# Altium PCB Bran_Main_Assay_PCB_v1.PcbDoc (part 2 of 4) (continued)
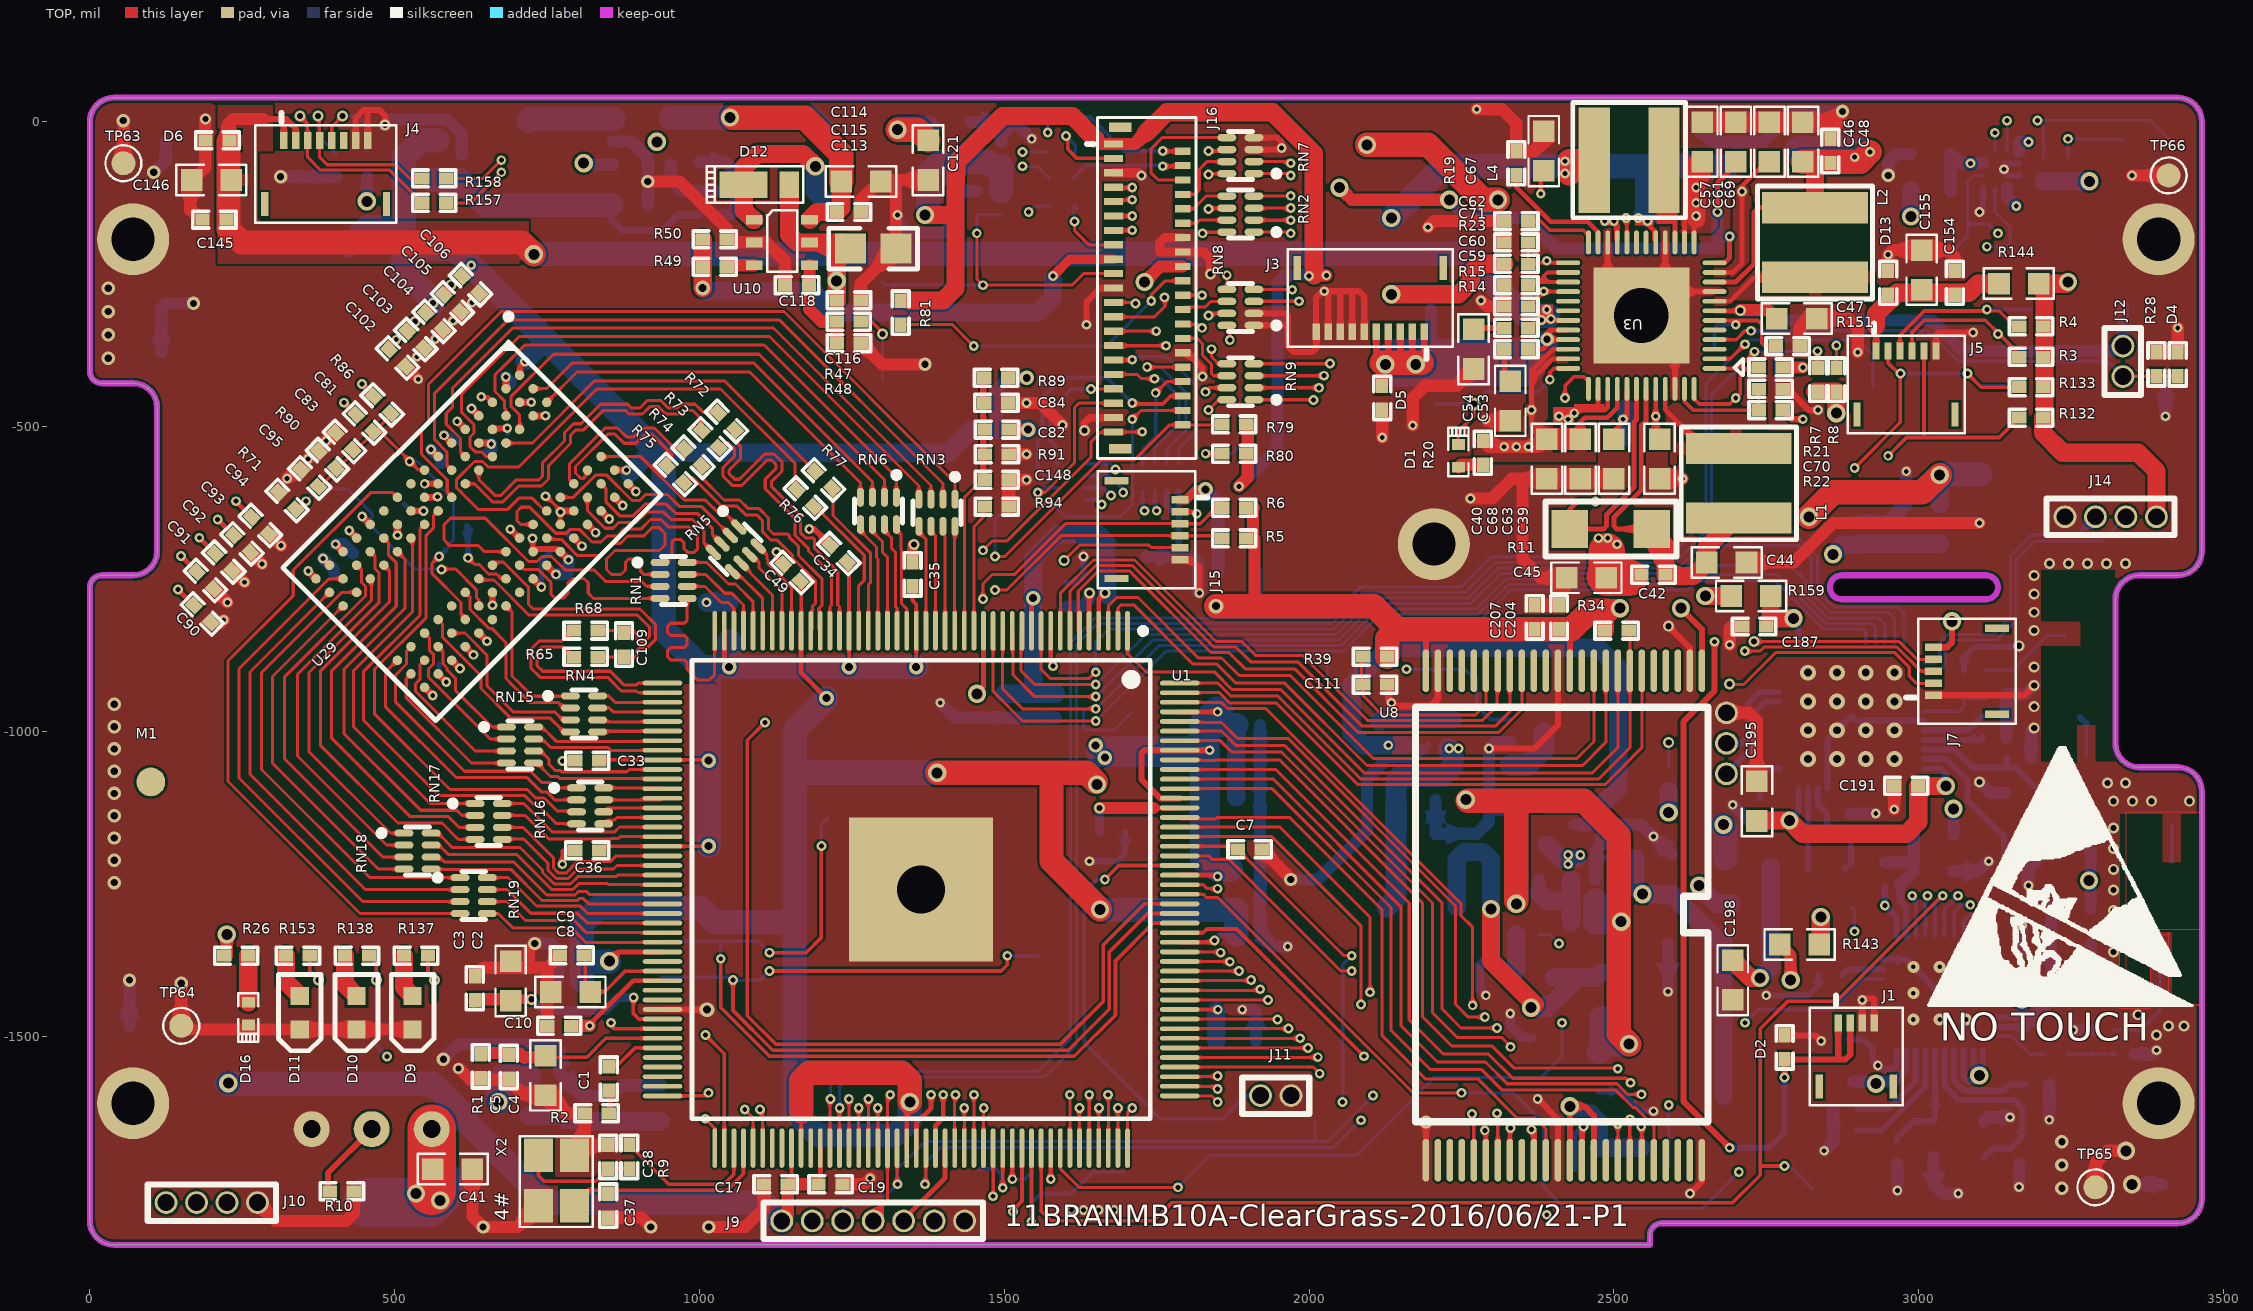
[diagram p0: TOP view]
## Nets (pads, with @x,y where several pads share a name; then routed paths per layer and width w, separated by ;. In a path a pad name is that pad's centre, name@x,y a point inside that pad or via, vN(x,y) a via of type N, cw(c..) or ccw(c..) an arc to the next point about the centre after c; other vN are vias at no path point) (continued)
  BOTTOM w30: v1(713.59,-393.54) 748.59,-358.54 ; C86.1@885.23,-576.9 926.09,-536.04 ; 933.03,-542.97 1405.16,-542.97 1406.82,-544.63 1446.37,-505.08 1487.37,-505.08 v6(1539.13,-505.08)
  BOTTOM w40: TP38.1@425,-203.15 455,-173.15 490,-173.15 ; 513.37,-173.15 513.37,-208.15 ; 515,-168.5 515,-58.15 542.5,-30.65 L13.1@565,-30.65 L13.1@570,-30.65 ; v3(562.59,-297.54) 562.59,-292.85 535.77,-266.03 513.37,-243.63 513.37,-208.15 ; v6(1015,-1188.15) v6(1015,-1048.15) 1015,-906.78 ; C142.2@1049.37,-852.13 1048.59,-852.91 v6(1048.59,-894.63) ; v6(1355.37,-894.63) v6(1245.37,-894.63) v6(1048.59,-894.63) ; 513.37,-208.15 598.2,-208.15 v1(625.59,-235.54) 748.59,-358.54 926.09,-536.04 933.03,-542.97 941.37,-551.32 941.37,-833.15 1002.85,-894.63 v6(1048.59,-894.63)
DSCK: C109.2 R65.1 U29.J7 | length 463.7
  TOP w5: U29.J7@660.36,-727.58 665.41,-722.54 678.59,-722.54 719.59,-763.54 719.59,-792.03 727.1,-799.54 902.59,-799.54 928.17,-825.12 928.17,-849.01 914.37,-862.81 902.26,-862.81 897.26,-867.81 897.26,-874.86 892.26,-879.86 876.2,-879.86 875.02,-878.67 874.15,-877.81 R65.1@835.25,-877.82
DSCK-N: C109.1 R68.1 U29.K7 | length 426.4
  TOP w5: U29.K7@638.1,-749.85 640.22,-751.97 662.87,-751.97 720.44,-809.54 898.44,-809.54 918.17,-829.26 918.17,-844.86 910.22,-852.81 902.26,-852.81 897.26,-847.81 897.26,-840.76 892.26,-835.76 876.2,-835.76 875.25,-834.81 R68.1@835.24,-834.81
EXTEN: TP45.1 U3.20 U5.1 | length 1290.7
  TOP w6: U3.20@2521.38,-198.07 v1@2521.38,-159.53
  Singal w6: v1(2160,-898.15) 2260,-898.15 2285,-873.15 2285,-528.15 2320,-493.15 2320,-248.15 2370,-198.15 2495,-198.15 2520,-173.15 v1(2520,-158.15)
  BOTTOM w6: v1(2160,-898.15) 2255,-898.15 ; 2254.56,-897.71 2255,-898.15 ; U5.1@2330,-980.75 2297.6,-980.75 2275,-958.15 TP45.1@2275,-913.15 2270,-913.15 2255,-898.15
G-VDD: C152.2 R146.2 U12.3 U12.7 U12.11 | length 186.7
  BOTTOM w20: R146.2@3052.5,-113.15 C152.2@3052.5,-53.15 3067.66,-68.31 v1(3085,-68.31) U12.3@3105.47,-68.31 ; U12.11@3144.84,-107.68 3144.84,-122.99 v1(3160,-138.15) ; U12.7@3164.53,-48.62 3164.53,-33.62 3165,-33.15 v1(3180,-33.15)
G_INT1: R130.2 TP56.1 U1.104 U12.5 | length 3785.6
  TOP w5: U1.104@1261.23,-1683.75 v1@1261.23,-1618.29
  Singal w5: v1(1261.37,-1618.15) 1261.37,-1584.52 1175.37,-1498.52 1175.37,-834.63 1261.37,-748.63 1261.37,-436.78 1405,-293.15 1405,-75 1451.87,-28.13 1523.87,-28.13 1554.87,2.87 2163.87,2.87 2196.37,-29.63 2878.52,-29.63 2890,-18.15 v1(3125,-18.15) 3235,-18.15 v1(3245,-28.15)
  BOTTOM w5: U12.5@3125.16,-48.62 v1@3125.16,-18.31 ; R130.2@3245,-58.46 v1(3245,-28.15) 3331.3,-28.15 TP56.1@3334.65,-31.5
G_INT2: R129.2 TP57.1 U1.103 U12.6 | length 3942.6
  TOP w5: U1.103@1245.48,-1683.75 v1@1245.48,-1603.63
  Singal w5: v1(1245,-1603.15) 1166.37,-1524.52 1166.37,-826.78 1252.37,-740.78 1252.37,-433.05 1395,-290.42 1395,-72.27 1448.14,-19.13 1519.02,-19.13 1550.02,11.87 2169.98,11.87 2202.48,-20.63 2874.79,-20.63 2897.11,1.69 v1(3144.84,1.69) v1@3194.84,1.69
  BOTTOM w5: U12.6@3144.84,-48.62 v1(3144.84,1.69) ; R129.2@3205,-58.46 3205,-8.15 v1(3195,1.85) 3380.04,1.85 TP57.1@3413.39,-31.5
GND: A1.3 A2.1 A2.3@3264.57,-850.67 C2.1 C3.1 C4.1 C5.1 C7.1 C8.1 C9.1 C10.1 C15.2 C16.1 C17.1 C18.1 C19.1 C20.1 C21.1 C22.1 C23.1 C24.1 C25.1 C26.1 C27.1 C28.1 C29.1 C30.1 C33.1 C34.1 C35.1 C36.1 C37.1 C38.1 C39.2 C40.1 C41.1 C44.2 C45.2 C46.2 C47.2 C48.2 C49.2 C50.2 C51.2 C52.2 C53.2 C54.2 C55.2 C56.2 C57.2 C59.1 C60.2 C61.2 C62.1 C63.1 C64.2 C65.2 C66.2 C67.2 C68.2 C69.1 C70.1 C71.1 C72.2 C73.2 C83.1 C84.2 C85.2 C86.2 C87.2 C88.2 C89.2 C90.2 C91.2 C92.2 C93.2 C94.2 C95.2 C96.2 C97.2 C98.2 C99.2 C100.2 C101.2 C102.2 C103.2 C104.2 C105.2 C106.2 C111.1 C113.1 C114.1 C115.1 C116.1 C117.2 C118.1 C120.1 C121.1 C122.1 C123.1 C142.1 C145.1 C146.1 C148.1 C152.1 C154.1 C155.1 C156.2 C157.2 C158.1 C159.1 C173.2 C174.1 C175.1 C176.1 C177.1 C178.1 C179.1 C182.2 C183.2 C186.2 C187.2 C188.2 C189.2 C190.2 C191.1 C192.1 C193.1 C194.1 C195.1 C196.2 C197.2 C198.2 C199.2 C200.2 C204.1 C205.1 C206.2 C207.1 C208.1 C209.1 D2.2 D4.2 D5.2 D6.2 D7.2 D8.2 D9.2 D10.2 D11.2 D13.2 D14.2 D15.2 D16.2 J1.3 J1.4 J2.3 J3.6 J3.7 J3.8 J3.9 J3.10 J4.7 J4.8 J5.6 J6.2 J7.1 J9.7 J10.4 J11.2 J13.3 J14.4 J15.6 J16.5 J16.14 J16.16 J16.21 J16.30 J16.39 pad.0 Q1.3 R1.1 R2.1 R10.1 R12.1 R17.1 R19.1 R27.1 R28.2 R35.2 R48.1 R50.1 R71.1 R90.1 R91.1 R94.1 R151.1 R154.2 R160.1 R161.1 RN7.3 RN7.4 RN8.1 RN8.2 RN10.1 RN10.2 TP49.1 TP59.1 TP60.1 TP61.1 TP62.1 TP63.1 TP64.1 TP65.1 TP66.1 U1.79 U1.177 U3.9 U3.16 U3.22 U3.46 U3.49 U4.2 U5.2 U6.3 U7.10 U7.19 U7.41 U8.2 U8.13 U8.23 U8.25 U8.36 U8.48 U9.1 U10.2 U11.31 U11.45 U11.49 U12.1 U12.8 U12.9 U29.A9 U29.B1 U29.B3 U29.B9 U29.D1 U29.D8 U29.E1 U29.E2 U29.E8 U29.F9 U29.G1 U29.G8 U29.G9 U29.J2 U29.J8 U29.L2 U29.M1 U29.M9 U29.P1 U29.P9 U29.T1 U29.T9 X1.2 X1.4 X2.2 X2.4 X3.2 X3.4 | length 16818.4
  TOP w5: v1(620.18,-715.54) 630.79,-726.15 638.2,-726.15 654.02,-741.97 667.02,-741.97 674.91,-749.86 U29.J8@682.64,-749.86 ; U29.G8@725.95,-703.39 v1(725.95,-683.54) 727.18,-684.76 U29.G8@727.18,-705.32 ; v1(747.59,-614.54) 748.59,-614.54 v1@772.56,-638.51 ; U29.E8@771.73,-658.85 U29.E8@771.73,-660.76 U29.E8@771.91,-658.85 ; U29.E8@771.73,-658.85 v1@771.73,-640.26 ; U29.E8@771.73,-658.85 U29.E8@771.91,-658.85 ; v1@771.73,-640.26 v1(771.91,-640.08) ; v1@771.73,-640.26 v1(771.91,-640.08) v1@772.56,-638.51 ; U29.E8@771.91,-658.85 v1(771.91,-640.08) ; v1(771.91,-640.08) v1@772.56,-638.51 ; C35.1@1349.23,-718.53 1349.59,-718.89 1349.59,-720.49 C35.1@1349.23,-718.53
  TOP w5.53: U29.G8@725.95,-703.39 U29.G8@727.18,-705.32
  TOP w6: v1(775,-1218.15) 775,-1196 775.55,-1195.46 C36.1@793.8,-1195.46 ; v1(775.37,-1048.63) 775.72,-1048.29 C33.1@793.82,-1048.29 ; 778.37,-1626.63 780.37,-1626.63
  TOP w10: v1(358.25,-737.28) U29.T1@370.85,-749.86 ; v1(403.18,-693.12) U29.P1@415.39,-705.32 ; J4.7@436.02,-30.71 436.02,6.02 449.37,19.37 474.37,19.37 484.37,9.37 v3(484.37,-5.63) ; v1(446.64,-647.5) U29.M1@459.93,-660.78 ; J4.8@455.71,-30.71 455.71,15.71 ; v1(504.47,-678.42) U29.L2@504.47,-660.76 ; U29.T9@549.01,-928.01 v1(562.45,-941.47) ; U29.J2@549.01,-616.22 569.5,-616.22 v1(570.39,-615.33) ; v1(559.41,-537.56) U29.G1@571.28,-549.42 ; U29.P9@593.55,-883.47 v1(606.99,-896.93) ; v1(602.55,-491.6) U29.E1@615.83,-504.88 ; v1(625.87,-470.39) U29.D1@638.1,-482.61 ; U29.M9@638.09,-838.93 v1(651.53,-852.39) ; U29.E2@638.1,-527.14 v1@656.88,-527.14 ; v1(682.32,-418.87) 682.64,-419.19 U29.B1@682.64,-438.07 ; U29.G8@727.18,-705.32 731.79,-700.71 767.12,-700.71 U29.F9@771.72,-705.31 v1(785.16,-718.76) ; U29.B3@727.18,-482.61 v1(747.37,-482.32) ; U29.G9@749.45,-727.59 749.45,-729.22 762.77,-742.54 v1(764.59,-742.54) ; v1@772.56,-638.51 U29.D8@793.99,-638.51 ; U29.B9@860.8,-616.22 v1(874.24,-629.68) ; U29.A9@883.07,-593.96 v1(895.66,-606.55) ; U1.79@939.38,-1456.39 v6(1012.37,-1456.63) ; v1(1126.37,-705.63) 1126.37,-714.33 C49.2@1136.02,-723.97 ; v1(1180,-668.15) 1188.2,-668.15 C34.1@1213,-692.94 ; v1(1635,-333.15) 1635,-295.43 1657.59,-272.83 J16.21@1679.34,-272.83 ; J15.6@1788.1,-718.5 1807.37,-718.5 ; J16.30@1792.53,-379.13 1800.33,-379.13 1825,-403.8 v1(1825,-418.15) ; 1807.88,-718.5 1807.37,-718.5 ; v1(1820,-773.15) 1820,-731.13 1807.37,-718.5 ; RN8.1@1909.6,-334.16 1963.99,-334.16 ; RN8.2@1909.6,-314.47 1961.32,-314.47 1965,-318.15 1965,-368.15 1975,-378.15 2005,-378.15 2011.81,-371.34 J3.10@2011.81,-344.49 2011.67,-344.63 2011.67,-288.33 2021.85,-278.15 v1(2025,-278.15) 2081.89,-278.15 2090.55,-286.81 J3.6@2090.55,-344.49 ; RN7.3@1909.6,-45.79 v1@1952.64,-45.79 ; RN7.4@1909.6,-26.1 1947.95,-26.1 1955,-33.15 v1(1955,-43.15) ; J3.9@2031.5,-344.49 2031.5,-283.5 ; J3.8@2051.18,-344.49 2051.18,-281.32 ; J3.7@2070.87,-344.49 2070.87,-282.13 ; U8.25@2191.61,-1703.78 v4@2191.61,-1641.54 ; v1(2295,-1028.15) 2370,-1028.15 2408.15,-990 U8.13@2408.15,-900.63 U8.13@2408.37,-900.41 ; v1(2375,-1603.15) 2408.15,-1636.3 U8.36@2408.15,-1703.78 ; U3.49@2489.88,-263.03 U3.22@2489.88,-198.07 ; U3.16@2584.37,-198.07 2584.37,-278.78 U3.9@2665.08,-278.78 ; v3(2589.37,-827.63) 2624.37,-862.63 2624.69,-862.63 U8.2@2624.69,-900.63 ; U3.46@2600.12,-438.23 U3.49@2600.12,-373.27 ; v1(2625,-1758.15) 2644.37,-1738.78 U8.48@2644.37,-1703.78 ; C70.1@2776.74,-438.15 2785,-438.15 2820,-473.15 v1(2835,-473.15) ; D2.2@2780,-1498.78 2830.63,-1498.78 v1(2840,-1508.15) ; J1.3@2907.48,-1478.35 v1(2907.48,-1440.67) ; v1@2910,-1438.15 2925,-1438.15 2927.17,-1440.31 J1.4@2927.17,-1478.35 ; J7.1@3024.42,-940.94 3173.35,-940.94 v3(3189.57,-924.72) ; J5.6@3028.54,-375.98 3028.54,-350.63 3033.54,-345.63 v1(3089.37,-345.63)
  TOP w12: v3(1631.37,-506.63) 1631.37,-494.43 1640.37,-485.43 J16.39@1679.34,-485.43 ; C111.1@2130.42,-923.63 2130.42,-946.63 2142.42,-958.63 2199.37,-958.63 2211.37,-946.63 2211.37,-900.7 U8.23@2211.3,-900.63
  TOP w15: C102.2@520.18,-403.12 520.18,-404.12 v1(538.59,-422.54) ; v1(536.59,-385.54) 549,-373.12 C103.2@550.18,-373.12 ; v1(566.59,-356.54) C104.2@580.17,-343.14 ; v1(595.59,-326.54) 609,-313.12 C105.2@610.18,-313.12 ; v1(626.59,-296.54) C106.2@640.17,-283.14 ; C35.1@1349.59,-720.49 1349.23,-718.53 v8@1348.95,-697.53 ; J16.5@1679.34,-83.86 1720.71,-83.86 v1(1725,-88.15) ; 1755,-213.15 1755,-198.15 1762.99,-190.16 J16.14@1792.53,-190.16 ; 1755.63,-213.78 J16.16@1792.53,-213.78 1827.37,-213.78 1838.37,-224.78 v3(1838.37,-249.63) ; v8@1348.95,-697.53 v8(1351.94,-693.62) 1348.95,-693.62 v8@1348.95,-697.53
  TOP w20: TP63.1@55,-68.15 v4(55,1.85) ; v4(150,-1413.15) TP64.1@150,-1483.15 155.98,-1489.13 D11.2@344.37,-1489.13 D10.2@437.37,-1489.13 D9.2@529.37,-1489.13 ; C145.1@182.32,-160.63 167.06,-145.36 164.64,-145.36 164.64,-100.36 189.37,-75.63 v3(189.37,4.37) ; C90.2@200.18,-823.12 214,-823.12 v1(219.59,-817.54) ; C91.2@205.18,-768.12 v1(225.59,-788.54) ; C92.2@235.18,-738.12 236.18,-738.12 v1(253.59,-755.54) ; C93.2@265.18,-708.12 v1(282.59,-725.54) ; J10.4@275,-1773.15 305,-1803.15 420,-1803.15 433.06,-1790.09 R10.1@433.06,-1754.63 ; C94.2@295.18,-678.12 296.18,-678.12 v1(313.59,-695.54) ; v1(323.59,-585.54) 340.18,-568.94 C95.2@345,-568.94 ; v1(357.59,-553.54) 372.18,-538.94 R90.1@374,-538.94 ; v1(387.59,-523.54) C83.1@401.99,-508.96 ; v3(605,-1553.15) 605.84,-1553.15 624.37,-1571.68 686.37,-1571.68 710.32,-1595.63 711.32,-1594.63 747.37,-1594.63 C4.1@747.37,-1597.13 747.37,-1606.63 762.06,-1606.63 782.06,-1626.63 ; C41.1@627.5,-1718.15 627.5,-1795.65 v4(645,-1813.15) 700.94,-1813.15 X2.4@735.94,-1778.15 ; C3.1@631.37,-1401.94 645.46,-1387.86 645.6,-1388 720,-1388 ; v4(730,-1348.15) 720,-1358.15 720,-1388 ; C10.1@750.32,-1483.15 750.32,-1388 ; C9.1@770.69,-1367.63 750.32,-1388 ; 780.37,-1626.63 782.06,-1626.63 ; X2.2@795,-1695.47 X2.2@811.69,-1678.79 ; R2.1@809.32,-1626.63 782.06,-1626.63 ; R2.1@811.69,-1626.63 X2.2@811.69,-1678.79 ; C37.1@850,-1797.83 904.69,-1797.83 v4(920,-1813.15) ; C38.1@850,-1678.46 812.01,-1678.46 X2.2@811.69,-1678.79 ; v4(915,-98.15) 967.5,-98.15 1044.69,-175.34 R50.1@1044.69,-193.15 1049.19,-197.65 1109.5,-197.65 1140.32,-228.46 C118.1@1140.32,-268.15 ; v4(1015,-1813.15) 1075,-1813.15 1105.32,-1782.83 C17.1@1105.32,-1743.14 ; C19.1@1234.69,-1743.15 1270,-1743.15 v1(1280,-1733.15) ; R48.1@1264.69,-363.15 1299.68,-398.15 v4(1370,-398.15) ; C116.1@1264.69,-293.15 1264.69,-265.87 C113.1@1322.4,-208.15 1322.4,-98.25 ; C115.1@1264.69,-148.15 1264.69,-128.46 1297.5,-95.65 C121.1@1375,-95.65 ; R94.1@1507.27,-631.54 C148.1@1507.27,-587.54 ; C84.2@1509.09,-461.42 v1(1536.46,-461.4) 1559.37,-461.4 1593.37,-495.4 1593.37,-495.63 v1(1595.37,-497.63) ; C148.1@1509.64,-587.54 v1(1536.59,-587.54) ; R91.1@1510.02,-545.58 v1(1536.55,-545.58) ; C7.1@1922.06,-1193.63 v4@1970,-1241.57 ; v1(2120,-518.15) D5.2@2120,-472.83 ; v1(2170,-498.15) 2170,-453.15 2190,-433.15 2242.5,-433.15 C54.2@2270,-405.65 ; v1(2195,-173.15) 2205,-163.15 C62.1@2320.32,-163.15 C71.1@2320.32,-198.15 ; v1(2265,-618.15) 2300,-618.15 2332.5,-585.65 2350,-585.65 ; v1(2275,20.37) 2316.48,20.37 2340,-3.15 R19.1@2340,-48.46 2369.69,-48.46 2385,-33.15 C67.2@2385,-15.65 ; v1(2282.13,-293.15) 2292.13,-303.15 C59.1@2320.32,-303.15 C60.2@2320.31,-268.15 ; v1@2292.5,-490.65 C53.2@2330,-490.65 C53.2@2322.5,-498.15 ; C207.1@2370,-793.46 C204.1@2410,-793.46 2410,-760.65 C45.2@2422.5,-748.15 2380,-748.15 2350,-718.15 2350,-585.65 ; C63.1@2500,-585.65 C68.2@2445,-585.65 C40.1@2390,-585.65 2350,-585.65 ; C39.2@2575,-585.65 v1(2612.5,-585.65) ; C57.2@2645,-0.65 C61.2@2700,-0.65 C69.1@2755,-0.65 C46.2@2810,-0.65 2857.5,-0.65 ; J13.3@2684.57,-969.72 2721.57,-969.72 2734.57,-982.72 C195.1@2734.57,-1082.22 ; v1(2690,-858.15) 2690,-830.65 2692.5,-828.15 C187.2@2710.31,-828.15 ; C44.2@2717.5,-723.15 2795,-723.15 2860,-658.15 v1(3100,-658.15) ; R151.1@2804.69,-368.15 2804.69,-338.46 2820,-323.15 C47.2@2832.5,-323.15 2885,-323.15 2900,-338.15 v1(2900,-378.15) ; C48.2@2855,-28.46 2857.5,-25.96 2857.5,-0.65 ; v4(2875,16.85) 2857.5,-0.65 ; D13.2@2950,-244.53 v1(2950,-218.15) 2957.5,-210.65 C155.1@3005,-210.65 3047.5,-210.65 3059.37,-222.52 C154.1@3059.37,-244.53 ; v1(2959.88,-1128.03) C191.1@2959.88,-1089.72 ; TP65.1@3290,-1748.15 3290,-1708.15 3310,-1688.15 v2(3340,-1688.15) ; v1(3350,-88.15) TP66.1@3410,-88.15 ; R28.2@3390,-378.46 D4.2@3425,-378.46 v1(3425,-338.15) ; 720,-1388 750.32,-1388
  BOTTOM w10: C96.2@618.51,-663.62 620.18,-665.29 v1(620.18,-715.54) ; C16.1@1602.37,-755.94 1620,-755.94 1630,-745.94 v1(1630,-713.15) ; v1(1640,-1213.15) 1685,-1213.15 1698.06,-1200.09 C18.1@1698.06,-1165.63 ; RN10.2@1766.56,-607.05 1766.56,-629.71 1775,-638.15 1782.51,-638.15 1786.25,-634.4 ; 1786.25,-711.89 1786.25,-634.4 ; RN10.1@1786.25,-607.05 1786.25,-634.4 ; 2120,-1053.15 2125.72,-1047.43 2170.4,-1047.43 R17.1@2195,-1022.83 ; C73.2@2475,-1590.65 2512.5,-1590.65 2545,-1623.15 v1(2565,-1623.15) ; v1(2750,-1433.15) 2820,-1433.15 2834.88,-1418.27 R154.2@2834.88,-1399.72 ; U11.45@2850.2,-1093.82 2850.2,-1014.09 v5(2865.94,-998.35) U11.49@2889.57,-974.72 2897.44,-982.6 U11.31@3008.66,-982.6 ; C178.1@2885,-1505.65 2908.72,-1505.65 2925,-1521.93 2925,-1540.16 v1(2932.99,-1548.15) 2939.57,-1554.72 2957.23,-1554.72 2963.7,-1548.25 U7.10@2963.7,-1523.23 ; U7.19@2941.06,-1374.61 2979.45,-1374.61 v7(2991.26,-1386.42) v7(3034.57,-1429.72) ; C188.2@3074.57,-900.04 3074.57,-878.58 3091.43,-861.72 3162.57,-861.72 v3(3164.57,-859.72) ; v1(3100,-148.15) 3105.47,-142.68 U12.1@3105.47,-107.68 ; U12.9@3164.53,-87.99 3164.37,-88.15 3145,-88.15 3139.84,-82.99 v1(3139.84,-77.99) 3139.84,-68.31 U12.8@3164.53,-68.31
  BOTTOM w15: v1(2290,-1433.15) 2280,-1423.15 2280,-1383.15 2302.6,-1360.55 U6.3@2302.6,-1333.43 ; v1(2330,-1463.15) 2330,-1483.15 2349.21,-1502.36 Q1.3@2365,-1502.36
  BOTTOM w20: TP60.1@65,-1483.15 v4(65,-1408.15) ; v4(105,-83.15) 125,-63.15 TP61.1@125,-33.15 ; TP49.1@117.19,-378.15 117.19,-305.96 125,-298.15 v4(170,-298.15) ; v4(312.83,-90.32) D8.2@354.37,-90.32 D7.2@404.37,-90.32 ; v1(403.18,-693.12) 416.63,-693.12 C87.2@431.8,-708.28 ; v3(484.37,-5.63) 493.35,3.35 586.23,3.35 610,-20.42 C51.2@610,-53.46 ; v1(559.41,-537.56) 576.37,-554.52 576.37,-559.84 C99.2@576.08,-560.13 ; v4(580,-1538.15) 605,-1513.15 760,-1513.15 770,-1523.15 770,-1560.65 C159.1@775,-1565.65 807.81,-1598.46 D14.2@855,-1598.46 872.75,-1580.71 J6.2@937.01,-1580.71 ; C101.2@654,-543.13 658.37,-538.76 v1(658.37,-528.63) ; v1(682.32,-418.87) 690.18,-426.73 C100.2@690.18,-428.95 ; v4(730,-1348.15) 756.24,-1348.15 C29.1@770.75,-1362.66 767.69,-1365.73 C117.2@767.69,-1408.63 ; v1(764.59,-742.54) 780.77,-742.54 785.17,-738.14 785.18,-736.48 v1(785.16,-718.76) ; U4.2@858.37,-32.63 888.37,-32.63 915.37,-59.63 C52.2@915.37,-136.63 ; C50.2@1000,-65.65 1042.5,-65.65 1060,-83.15 1060,-143.68 1050.84,-152.83 R12.1@1035,-152.83 ; v1(1325,-153.15) 1325,-162.63 1345,-182.63 1400.52,-182.63 1415,-168.15 1415,-133.15 1434.69,-113.46 C120.1@1455,-113.46 ; v1(1395,-953.15) 1419.69,-977.83 C23.1@1500,-977.83 C21.1@1545,-977.83 C22.1@1585,-977.83 ; C122.1@1445,-0.65 1517.5,-0.65 v1(1545,-28.15) ; C123.1@1495,-33.46 1495,-0.65 ; C20.1@1732.5,-713.15 1808.15,-713.15 1818.15,-723.15 1818.15,-771.3 v1(1820,-773.15) ; v1(1890.37,-1456.63) 1909.26,-1456.63 1912.87,-1460.24 C15.2@1912.87,-1507.63 ; C27.1@1919.69,-989.63 C26.1@1919.69,-1031.63 C25.1@1919.69,-1108.63 C24.1@1919.69,-1233.15 C30.1@1919.69,-1293.15 C28.1@1919.69,-1333.15 1939.69,-1353.15 v1(1965,-1353.15) ; v4(1970,-1243.15) 2015,-1243.15 2095,-1163.15 2095,-1078.15 2120,-1053.15 ; C64.2@2207.5,-1113.15 C72.2@2207.5,-1168.15 2275,-1168.15 2295,-1148.15 2295,-1128.46 ; 2295,-1128.15 v1(2295,-1028.15) 2305,-1018.15 U5.2@2330,-1018.15 ; 2295.31,-1128.46 C200.2@2340,-1128.46 ; C65.2@2435,-1152.83 2435.31,-1153.15 2471.22,-1153.15 ; R27.1@2469.69,-1243.15 2469.69,-1195.96 C66.2@2480,-1185.65 2480,-1161.93 2471.22,-1153.15 ; v1(2589,-1427.15) U9.1@2589,-1348.15 ; C199.2@2594.57,-1202.22 v1(2565,-1172.66) 2545.49,-1153.15 2471.22,-1153.15 ; C55.2@2635,-5.65 2662.81,-33.46 C56.2@2685,-33.46 2744.69,-33.46 2795,16.85 v4(2875,16.85) ; v1(2695,-1120.69) 2723.72,-1149.41 C186.2@2739.57,-1149.41 ; v1(2845,-1688.15) 2859.88,-1673.27 C176.1@2859.88,-1654.72 C175.1@2859.88,-1619.72 ; C194.1@2889.25,-1134.72 v1(2929.57,-1134.72) ; D15.2@2899.57,-655.04 C156.2@2934.57,-655.04 2951.75,-655.04 C157.2@2979.57,-627.22 v1(2979.57,-573.58) ; v4(2950,-88.15) 2950,-66.93 2963.78,-53.15 C152.1@2987.5,-53.15 ; C196.2@2964.57,-1709.41 2965,-1709.84 v1(2965,-1753.15) ; X1.4@3024.57,-1698.78 3024.57,-1742.72 3040,-1758.15 v1(3065,-1758.15) ; C177.1@3057.07,-1229.72 3097.5,-1229.72 v1@3114.07,-1213.15 ; v3(3100,-1083.15) 3118.11,-1101.26 X3.4@3142.01,-1101.26 ; X1.2@3107.24,-1639.72 3113.82,-1633.15 v1(3150,-1633.15) ; C190.2@3144.25,-1009.72 C189.2@3144.25,-974.72 3144.25,-939.72 C206.2@3144.57,-939.41 3174.88,-939.41 v3(3189.57,-924.72) ; v1(3164.57,-1747.72) C197.2@3164.57,-1709.41 ; C174.1@3169.57,-1360.04 v1(3169.57,-1318.58) ; v1@3179.25,-1252.4 C192.1@3179.25,-1224.72 3197.13,-1206.85 X3.2@3197.13,-1168.19 ; C193.1@3184.25,-1044.72 3184.25,-1000.04 v3(3189.57,-994.72) ; v1(3214.25,-1637.4) C173.2@3214.25,-1579.72 ; v1(3253.11,-1490.04) C182.2@3284.57,-1490.04 ; v1(3254.25,-1442.4) C205.1@3254.25,-1399.72 3272.06,-1399.72 3272.06,-1396.09 3282.07,-1386.08 C179.1@3282.07,-1349.72 ; v2(3350,-1743.15) TP59.1@3400,-1743.15 ; C183.2@3354.57,-1529.41 3383.74,-1529.41 v1(3390,-1523.15) ; v1(3405,-483.15) TP62.1@3405,-433.15
  BOTTOM w30: v1(1011.59,-788.54) 1048.28,-788.54 C142.1@1049.37,-789.63
  other v1: 1610,-1785.15 1630,-1785.15 1655,-1785.15 1680,-1785.15 3180,-1253.15 3115,-1213.15 2135,-953.15 2290,-488.15
  other v3: 3390,-1498.15 3410,-1483.15 3435,-1483.15 3360,-1465 3319.57,-1429.72 3319.57,-1395.84 3319.57,-1361.95 3319.57,-1328.06 3319.57,-1294.17 3319.57,-1260.28 3319.57,-1226.39 3319.57,-1192.5 3319.57,-1158.61 3319.57,-1114.72 3350.82,-1114.72 3382.07,-1114.72 3444.57,-1114.72 3249.57,-1084.72 3309.57,-1084.72 3339.57,-1084.72 3189.57,-959.72 3189.57,-894.72 3189.57,-834.72 3189.57,-804.72 3189.57,-774.72 3189.57,-744.72 3214.57,-724.72 3245.82,-724.72 3277.07,-724.72 3308.32,-724.72 3339.57,-724.72
  other v4: 3235,-1749.69 3235,-1711.42 3235,-1673.15 2191.84,-1640.91 40,-1248.15 40,-1211.61 40,-1175.07 40,-1138.53 40,-1102 40,-1065.46 40,-1028.92 40,-992.38 40,-955.84 30,-388.15 30,-349.82 30,-311.48 30,-273.15
  other v5: 2818.7,-1045.59 2865.94,-1045.59 2913.19,-1045.59 2960.43,-1045.59 2818.7,-998.35 2913.19,-998.35 2960.43,-998.35 2818.7,-951.1 2865.94,-951.1 2913.19,-951.1 2960.43,-951.1 2818.7,-903.86 2865.94,-903.86 2913.19,-903.86 2960.43,-903.86
  other v7: 2991.26,-1473.03 3034.57,-1473.03 3077.87,-1473.03 2991.26,-1429.72 3077.87,-1429.72 3034.57,-1386.42 3077.87,-1386.42
HPBP: C8.2 C9.2 U1.75 | length 198.9
  TOP w6: C9.2@812.42,-1367.63 812.42,-1422.63 813.37,-1422.63 818.37,-1427.63 C8.2@820.87,-1427.63 843.37,-1427.63 843.37,-1426.63 845.37,-1426.63 878.37,-1393.4 U1.75@939.38,-1393.4
HPVCC: C10.2 C15.1 C16.2 C17.2 C18.2 C19.2 C121.2 C204.2 C207.2 C208.2 C209.2 J9.1 J10.1 J14.1 L12.1 L15.2 R3.1 R4.1 R5.1 R6.1 R7.1 R8.1 R23.2 R26.2 R32.1 R34.1 R39.1 R99.2 R128.1 R129.1 R130.1 R131.1 R132.1 R133.1 R136.1 R144.2 R145.2 R146.1 R159.2 TP37.1 U1.5 U1.76 U1.97 U1.100 U1.142 U1.163 U8.1 U8.12 U8.24 U8.34 U8.37 U8.39 | length 15532.3
  TOP w6: C17.2@1150.99,-1743.14 U1.97@1150.99,-1683.75 ; U1.142@1787.8,-1456.39 1833.13,-1456.39 1833.37,-1456.63 v1(1850.37,-1456.63)
  TOP w8: v1@820,-1480.52 891.38,-1409.15 U1.76@939.38,-1409.15 ; 1198.24,-1731.39 U1.100@1198.24,-1683.75 ; U1.5@1639.18,-835.33 v3@1639.18,-773.97 ; 1744.95,-1125.68 U1.163@1787.8,-1125.68
  TOP w10: U8.24@2191.61,-900.63 2191.61,-842.68 ; v1(2365,-1653.15) 2368.78,-1656.93 U8.34@2368.78,-1703.78 ; C204.2@2412.66,-835.49 2427.83,-850.67 U8.12@2427.83,-900.63 ; U8.37@2427.83,-1703.78 v2(2427.83,-1615.31) 2452.17,-1615.31 2467.2,-1630.35 U8.39@2467.2,-1703.78 ; v2(2610,-798.15) 2644.37,-832.52 U8.1@2644.37,-900.63
  TOP w12: 1909.42,-633.63 1910.42,-634.63
  TOP w20: R26.2@224.69,-1368.15 v2(224.69,-1333.46) ; C10.2@789.69,-1483.15 v1(820,-1483.15) ; J9.1@1144.69,-1793.46 C17.2@1144.69,-1743.14 1150.99,-1743.14 C19.2@1195.31,-1743.15 ; v3(1656.37,-1125.63) 1744.95,-1125.63 ; R5.1@1908.06,-683.63 1908.06,-634.99 1909.42,-633.63 ; 1910.42,-794.21 1910.42,-683.63 ; C204.2@2405.47,-842.68 C204.2@2412.66,-835.49
  TOP w30: 2128.06,-848.15 2143.37,-832.83 2144.69,-832.83 ; v2(2135,-283.15) 2245,-283.15 2265,-263.15 2265,-248.15 2280,-233.15 R23.2@2320.31,-233.15 ; R34.1@2484.88,-834.72 2484.88,-818.88 ; 2489.07,-798.15 v2(2510,-798.15) ; v2(2650,-778.15) R159.2@2692.5,-778.15 ; R7.1@2830,-442.83 R7.1@2835,-442.83 R8.1@2865,-442.83 v2(2865,-478.15) ; R144.2@3195.37,-265.63 3196.12,-266.38 3206.42,-276.68 3206.42,-335.63 3206.42,-385.63 3206.42,-435.63 R132.1@3206.42,-485.63 ; R144.2@3196.87,-265.63 v2@3242.52,-265.63 ; R132.1@3204.06,-485.63 3204.06,-510.79 3236.42,-543.15 3360,-543.15 3390,-573.15 J14.1@3390,-648.15
  TOP w40: v2(1325,-13.15) 1357.5,-13.15 C121.2@1375,-30.65 ; v6(1847.37,-794.63) 2106.48,-794.63 2144.69,-832.83 C207.2@2370,-832.83 C204.2@2410,-832.83 2430.31,-832.83 2461,-802.15 2489.07,-802.15 ; R39.1@2128.06,-877.63 2128.06,-848.15 ; v2(2820,-648.15) 2860,-608.15 3006.14,-608.15 v2(3034.57,-579.72)
  Singal w40: v2(930,-33.15) 940,-43.15 1095,-43.15 1125,-13.15 v2(1325,-13.15)
  POWER w30: v1@1845.94,-1452.2 1850,-1448.15 ; v6(1847.37,-794.63) 1958.52,-794.63 2061.37,-691.78 2061.37,-356.78 v2(2135,-283.15) ; v2(2510,-798.15) v2(2610,-798.15) 2625,-798.15 ; v2@2865,-478.46 v2(2865,-478.15) 3034.57,-478.15 ; v2(2987.5,-155.65) 3034.57,-202.72 3034.57,-263.15 ; v2(3034.57,-579.72) 3034.57,-263.15 ; v2(3280.32,-97.83) 3280.32,-227.83 v2(3245,-263.15) 3034.57,-263.15
  POWER w40: J10.1@125,-1773.15 125,-1703.15 224.69,-1603.46 224.69,-1577.22 224.69,-1483.15 ; v2(224.69,-1333.46) 224.69,-1483.15 ; 437,-1476.15 437,-1196.15 1040,-593.15 1040,-433.15 725,-118.15 725,-13.15 ; v2(454.37,-130.63) 454.37,-103.78 545,-13.15 725,-13.15 ; v2@927.5,-35.65 v2@930,-38.15 ; v2(930,-33.15) 910,-13.15 725,-13.15 ; J9.1@1135,-1792.76 1254.61,-1673.15 1795,-1673.15 ; 1630,-773.15 1615,-788.15 1615,-818.15 1665,-868.15 1773.85,-868.15 v6(1847.37,-794.63) ; v3@1659.7,-1131.22 1656.37,-1131.22 1578.07,-1131.22 1465,-1018.15 1255,-1018.15 965,-1308.15 965,-1488.15 934,-1519.15 847.92,-1519.15 820,-1491.23 v1(820,-1483.15) 224.69,-1483.15 ; v1(1850.37,-1456.63) 1795,-1512 1795,-1673.15 ; v1(2425,-1203.15) 2440,-1203.15 2442.5,-1200.65 2449.57,-1193.58 ; v2(2680,-1153.15) 2660,-1133.15 2625,-1133.15 ; v2(2820,-648.15) 2675,-648.15 2625,-698.15 2625,-778.15 2625,-798.15 2625,-1133.15 ; 1795,-1673.15 1795,-1693.15 1855,-1753.15 2290,-1753.15 2377.5,-1665.65 v2(2427.83,-1615.31) 2449.57,-1593.58 2449.57,-1218.15 2449.57,-1203.15 2449.57,-1193.58 ; 2449.57,-1193.58 2510,-1133.15 v2(2590,-1133.15) 2625,-1133.15
  BOTTOM w15: C18.2@1656.32,-1165.63 1656.37,-1165.58 v3(1656.37,-1125.63) ; v1@1850.37,-1459.13 v1(1850.37,-1456.63)
  BOTTOM w20: v2(454.37,-130.63) R99.2@454.37,-90.32 ; C16.2@1602.37,-795.32 1627.83,-795.32 1640,-783.15 v3(1640,-773.15) ; v6(1847.37,-794.63) 1893.37,-794.63 1913.37,-774.63 R128.1@1913.37,-738.63 ; v2(2427.83,-1615.31) 2434.89,-1622.37 2464.22,-1622.37 2480,-1638.15 2480,-1677.83 R32.1@2474.69,-1683.15
  BOTTOM w30: C15.1@1847.87,-1507.63 v1@1847.87,-1459.13 ; L12.1@2390,-1185.65 2413.5,-1209.15 2425,-1209.15 2438.99,-1209.15 ; R32.1@2474.69,-1683.15 2510,-1683.15 2544.69,-1683.15 C209.2@2545,-1683.46 ; v2@2590,-1128.15 R131.1@2590,-1097.83 ; v2(2987.5,-155.65) R146.1@2987.5,-113.15 ; R145.2@3034.57,-627.22 v2@3034.57,-584.72 ; R129.1@3205,-97.83 R130.1@3245,-97.83 v2(3280.32,-97.83)
  BOTTOM w40: v2@225,-1578.15 227.07,-1578.15 562.01,-1578.15 614.32,-1630.46 614.32,-1637.47 750,-1773.15 1105,-1773.15 J9.1@1135,-1803.15 ; v2@1327.6,-10.75 R136.1@1375,-10.75 ; v2@2679.69,-1153.46 2682.5,-1156.27 L15.2@2682.5,-1208.15 ; v2@3041.14,-578.15 TP37.1@3100,-578.15
  other v1: 2425,-1218.15 2445,-1203.15
  other v2: 227.07,-1577.22